# KiCad board Boom-1.kicad_pcb (continued)
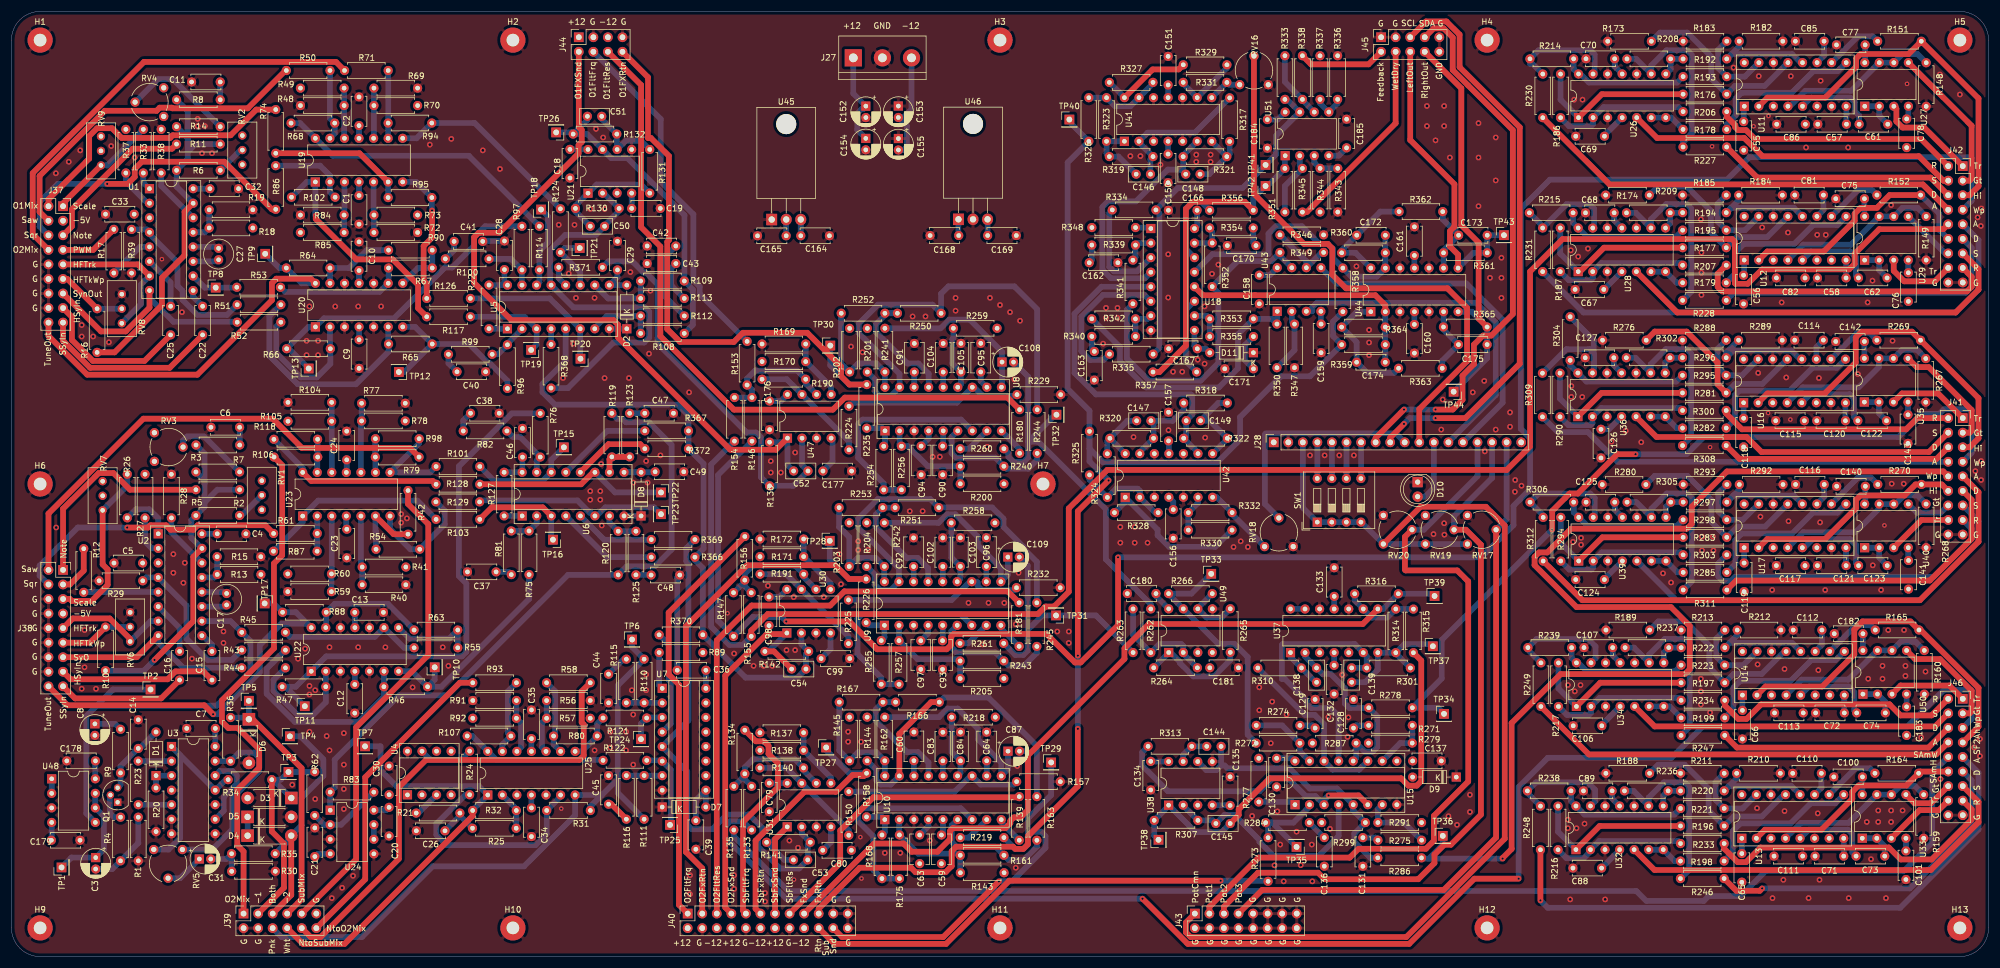
[diagram p0: board, top side]
## Routing (per net, layer and track width the routed paths; a pad name or vN(x,y) marks a point on that pad's centre or on a via; arc(x,y) is an arc through that point) (continued)
Net-(R64-Pad2): length 14.2
  Bottom w1: R90.2 62,123.33 58.88,120.22 R64.2 U20.13
Net-(R65-Pad1): length 31.3
  Bottom w1: TP12.1 68.53,102.05 R65.1 ; R65.1 79.86,106.94 83.21,103.6 83.47,103.6 86.55,100.51 R96.2 ; R65.1 70.44,109.93 U20.7
Net-(R66-Pad1): length 56
  Bottom w1: R97.2 82.66,127.5 80.74,125.57 80.74,124.13 76.91,120.31 75.65,120.31 66.77,111.43 54.54,111.43 U20.1 51.83,109.93 R66.1 48.42,106.12 TP13.1
Net-(R67-Pad1): length 9.4
  Bottom w1: R90.1 R67.1 70.95,120.22 U20.8
Net-(R69-Pad2): length 8.9
  Bottom w1: R69.2 R70.2 63.25,142.88 63.19,142.82 U19.10
Net-(R71-Pad2): length 11.8
  Bottom w1: U19.9 R94.1 65.74,145.53 R71.2
Net-(R72-Pad2): length 8.9
  Bottom w1: R72.2 R73.2 63.19,129.52 U19.5
Net-(R74-Pad2): length 24.4
  Top w1: R74.2 60.71,140.25 U19.6
  Bottom w1: U19.6 R95.1
Net-(R75-Pad1): length 6.3
  Bottom w1: R81.1 R75.1 91.65,75.64 U6.2
Net-(R76-Pad1): length 10.6
  Bottom w1: R82.1 87.51,90.7 88.77,90.7 R76.1 91.65,86.59 U6.15
Net-(R77-Pad2): length 12.1
  Bottom w1: U23.10 60.98,93.39 R78.2 R77.2
Net-(R79-Pad2): length 5.9
  Bottom w1: U23.9 63.52,87.19 R79.2 63.5,90.39 R98.1
Net-(R84-Pad2): length 9
  Bottom w1: U19.3 58.11,129.52 ; 58.11,129.52 R84.2 R85.2 ; 58.11,129.52 57.98,129.39
Net-(R89-Pad1): length 6.5
  Bottom w1: R89.1 113.02,47.35 U7.1
Net-(R91-Pad2): length 9.5
  Bottom w1: U25.12 88.92,36.54 88.92,40.8 R92.2 R91.2
Net-(R96-Pad1): length 7.2
  Bottom w1: U5.2 89.09,109.55 86.55,107.01 R96.1 84.88,105.14 R99.1
Net-(R100-Pad1): length 9.2
  Bottom w1: R100.1 87.15,121.81 R97.1 89.08,117.23 U5.15
Net-(R101-Pad1): length 19.4
  Bottom w1: TP15.1 94.19,86.7 U6.14 92.69,83.05 84.23,83.05 R101.1
Net-(R101-Pad2): length 16.5
  Bottom w1: R101.2 73.07,84.53 U23.8 71.14,89.61 R98.2
Net-(R102-Pad1): length 14.3
  Bottom w1: R86.2 53.87,138.07 55.57,136.37 U19.2 55.57,133.48 R102.1
Net-(R102-Pad2): length 40.6
  Top w1: v1(53.1,129.35) 53.1,128.78 60.17,121.72 66.52,121.72 70.96,117.27 70.96,113.2 R117.2
  Bottom w1: v1(53.1,129.35) 53.03,129.42 U19.1 51.53,135.24 R102.2
Net-(R103-Pad1): length 18.2
  Top w1: U6.3 92.69,78.43 83.82,78.43 R103.1
  Bottom w1: U6.3 94.19,73.08 TP16.1
Net-(R103-Pad2): length 34
  Bottom w1: R103.2 70.82,79.61 53.52,79.61 U23.1 50.82,75.86 R87.2
Net-(R104-Pad2): length 12.3
  Bottom w1: 55.92,84.55 U23.12 55.9,93.43 R105.2 R104.2
Net-(R106-Pad2): length 5.8
  Bottom w1: U23.13 53.36,87.12 R106.2 53.42,87.22 R118.1
Net-(R107-Pad1): length 13.4
  Bottom w1: R93.2 86.62,46.3 86.62,39.03 R107.1 85.66,37.01 U25.13
Net-(R107-Pad2): length 25.5
  Bottom w1: R122.2 103.16,34.32 84.62,34.32 U25.14 80.44,38.5 R107.2
Net-(R108-Pad1): length 12.1
  Bottom w1: U5.7 101.79,109.74 103.89,111.84 R112.1 R108.1
Net-(R109-Pad1): length 12
  Bottom w1: U5.10 104.12,114.89 R113.1 R109.1
Net-(R110-Pad1): length 6.3
  Bottom w1: R115.1 R110.1 110.42,44.28 U7.2
Net-(R111-Pad1): length 6.3
  Bottom w1: U7.7 110.42,31.58 R111.1 R116.1
Net-(R114-Pad1): length 14.5
  Bottom w1: TP18.1 93.62,129.21 93.62,124.68 92.12,123.18 R114.1 92.12,117.72 U5.14
Net-(R114-Pad2): length 50.8
  Bottom w1: R114.2 79.82,139.8 56.08,139.8 U19.14 50.37,145.51 R68.2
Net-(R117-Pad1): length 16.5
  Bottom w1: TP19.1 91.63,106.85 U5.3 89.53,111.7 R117.1
Net-(R118-Pad2): length 32
  Top w1: U23.14 52.32,83.02 73.53,83.02 R128.1
  Bottom w1: R118.2 50.82,85.28 U23.14
Net-(R119-Pad1): length 6
  Top w1: U6.10 104.35,86.81 R119.1 R123.1
Net-(R119-Pad2): length 114.2
  Bottom w1: U24.1 55.61,25.56 R83.1 56.41,29.51 56.41,34.37 67.64,45.6 76.08,45.6 97.11,66.63 R120.2 107.37,68.14 112.27,68.14 115.2,71.06 115.2,89.33 111.25,93.28 107.22,93.28 106.62,93.88 105.67,93.88 104.77,94.78 R119.2
Net-(R120-Pad1): length 6.4
  Bottom w1: R125.1 R120.1 104.35,75.77 U6.7
Net-(R121-Pad1): length 6.9
  Bottom w1: U7.3 110.94,41.74 R121.1 109.85,40.65 TP24.1
Net-(R121-Pad2): length 8.5
  Bottom w1: R121.2 102.22,40.64 R80.2 99.54,35.82 U25.8
Net-(R122-Pad1): length 14.6
  Bottom w1: TP25.1 115.06,23.12 115.06,32.62 U7.6 113.42,34.25 R122.1
Net-(R124-Pad1): length 34.8
  Bottom w1: R124.1 95.79,130.55 80.82,145.52 R94.2 70.68,142.86 U19.8
Net-(R124-Pad2): length 10.8
  Bottom w1: TP21.1 96.56,123.7 R124.2 99.25,119.47 U5.11
Net-(R126-Pad1): length 24.9
  Top w1: v1(73.4,130.25) 73.4,125.52 71.92,124.05 71.92,118.01 72.46,117.47 R126.1
  Bottom w1: v1(73.4,130.25) 73.35,130.3 R95.2 70.62,135.24 U19.7 68.27,135.04
Net-(R126-Pad2): length 26.6
  Bottom w1: TP20.1 99.25,104.42 U5.6 93.95,114.9 R126.2
Net-(R127-Pad1): length 3.1
  Bottom w1: R127.1 U6.1
Net-(R128-Pad2): length 34
  Top w1: U6.11 101.49,84.55 99.4,82.45 R128.2
  Bottom w1: U6.11 105.33,81.03 TP22.1
Net-(R129-Pad1): length 19.6
  Bottom w1: U23.7 66.06,74.66 69.61,71.11 R54.2 75.6,75.47 75.6,77.85 R129.1
Net-(R129-Pad2): length 34
  Bottom w1: R129.2 81.94,79.63 98.77,79.63 100.92,77.48 101.12,77.48 101.67,76.93 U6.6 102.13,76.93 103.63,78.43 112.15,78.43 TP23.1
Net-(R133-Pad2): length 21.8
  Bottom w1: R134.1 127.98,33.04 129.37,34.43 136.72,34.43 R140.2 138.22,32.49 U31.6 ; R134.1 127.98,30.9 R133.2 ; R134.1 127.98,31.64 R135.2
Net-(R137-Pad1): length 10.8
  Bottom w1: R137.1 138.23,36.01 R138.1 142.99,31.24 U31.5
Net-(R139-Pad1): length 4.9
  Bottom w1: U10.9 172.72,23.44 R139.1
Net-(R140-Pad1): length 20.9
  Bottom w1: R150.2 146.12,22.05 U31.7 135.24,32.93 R140.1
Net-(R143-Pad1): length 17.8
  Bottom w1: R143.1 165.57,14.65 R161.2 165.57,17.68 165.28,17.98 158.2,17.98 R175.2 154.94,21.24 U10.2
Net-(R144-Pad2): length 55.3
  Top w1: U10.17 154.94,38.88 160.48,44.41 R166.1
  Bottom w1: R166.1 162.7,45.21 170.49,45.21 178.94,36.76 R163.2 ; R144.2 150.9,32.59 150.9,30.81 151.68,30.03 153.44,30.03 U10.17
Net-(R145-Pad1): length 21
  Bottom w1: R167.1 144.45,35.97 R145.1 147.75,35.67 150.9,35.67 R162.1 152.4,31.53 U10.18
Net-(R146-Pad2): length 21.6
  Bottom w1: R154.2 R146.2 129.22,98.93 R153.1 128.37,100.91 129.75,102.29 137.1,102.29 R190.2 138.6,100.02 U47.6
Net-(R147-Pad2): length 21.8
  Bottom w1: R156.1 127.97,64.64 R155.2 ; R156.1 127.97,65.49 R147.2 ; R156.1 127.97,66.85 129.38,68.25 136.75,68.25 R191.2 138.25,66.24 U30.6
Net-(R148-Pad1): length 28.5
  Bottom w1: R148.1 332.6,157.57 329.98,157.57 U27.6 U27.7 321.02,151.15 313.02,151.15 310.32,148.45 U11.4
Net-(R149-Pad1): length 28.5
  Bottom w1: R149.1 332.63,130.71 329.96,130.71 U29.6 U29.7 321.01,124.3 312.68,124.3 U12.4
Net-(R150-Pad1): length 31.3
  Bottom w1: R157.1 174.9,30.03 169.14,30.03 U10.12 167.32,31.53 164.58,28.79 R150.1
Net-(R151-Pad1): length 10.3
  Bottom w1: U11.10 322.22,160.67 324.78,160.67 R151.1
Net-(R152-Pad1): length 10.2
  Bottom w1: U12.10 322.19,133.81 324.67,133.81 R152.1
Net-(R158-Pad1): length 6.3
  Bottom w1: R158.1 151.92,24.38 U10.1 152.4,21.72 R168.2
Net-(R159-Pad1): length 28.5
  Bottom w1: R159.1 332.17,29.77 329.55,29.77 U33.6 U33.7 320.58,23.34 312.27,23.34 U13.4
Net-(R160-Pad1): length 28.6
  Bottom w1: U14.4 312.37,48.34 320.52,48.34 U50.7 U50.6 329.66,54.94 332.29,54.94 R160.1
Net-(R161-Pad1): length 22.6
  Bottom w1: R163.1 178.94,19.17 176.64,16.88 173.99,16.88 R161.1 171.69,19.18 164.93,19.18 164.07,20.04 164.07,22.88 U10.6
Net-(R164-Pad1): length 10.3
  Bottom w1: R164.1 324.32,32.86 321.79,32.86 U13.10
Net-(R165-Pad1): length 10.2
  Bottom w1: U14.10 321.89,57.86 324.39,57.86 R165.1
Net-(R166-Pad2): length 20.6
  Bottom w1: U10.15 160.02,33.87 158.2,35.69 156.28,35.69 150.82,41.15 150.82,43.16 R167.2 R166.2
Net-(R168-Pad1): length 37.3
  Bottom w1: U10.7 165.66,25.88 148.5,25.88 147.72,25.1 147.72,23.66 150.4,20.98 150.4,15.11 R168.1 R175.1
Net-(R169-Pad1): length 10.8
  Bottom w1: U47.5 143.03,99.44 R170.1 138.6,107.02 R169.1
Net-(R171-Pad1): length 10.7
  Bottom w1: U30.5 142.93,65.13 R171.1 R172.1
Net-(R173-Pad1): length 33.5
  Bottom w1: R173.1 287.68,161.31 292.43,161.31 296.62,157.12 296.62,153.26 R176.1 300.76,152 305.93,152 U11.13
Net-(R174-Pad1): length 33.7
  Bottom w1: U12.13 306.38,125.62 301.1,125.62 R177.1 296.54,126.46 296.54,130.23 292.33,134.44 287.31,134.44 R174.1
Net-(R176-Pad2): length 28.9
  Top w1: U26.1 277.54,150.56 R176.2
  Bottom w1: R186.1 270.32,149.6 U26.1
Net-(R177-Pad2): length 28.9
  Top w1: R177.2 277.89,123.76 273.71,119.58 U28.1
  Bottom w1: U28.1 270.27,122.7 R187.1
Net-(R178-Pad1): length 27.9
  Bottom w1: R178.1 299.31,145.28 300.88,146.85 300.88,149.81 301.87,150.8 310.65,150.8 314.42,154.57 318.66,154.57 U11.9
Net-(R178-Pad2): length 6.4
  Bottom w1: R178.2 289.63,146.47 U26.7 U26.6
Net-(R179-Pad1): length 27.9
  Bottom w1: U12.9 318.64,127.72 314.4,127.72 311.1,124.42 302.32,124.42 300.75,122.84 300.75,119.15 R179.1
Net-(R179-Pad2): length 6.3
  Bottom w1: R179.2 290.57,117.64 U28.7 U28.6
Net-(R180-Pad1): length 4.5
  Bottom w1: 175.92,88.61 U8.9
Net-(R181-Pad1): length 5
  Bottom w1: R181.1 172.65,57.34 U9.9
Net-(R182-Pad1): length 18.2
  Bottom w1: R182.1 301.49,158.89 R192.1 300.17,157.57 310.72,157.57 312.22,156.07 U11.12
Net-(R183-Pad1): length 14
  Bottom w1: R183.1 297.82,158.3 297.82,155.13 R193.1 302.48,153.63 U11.15
Net-(R184-Pad1): length 18.2
  Bottom w1: U12.12 311.02,130.72 300.08,130.72 R194.1 301.41,132.05 R184.1
Net-(R185-Pad1): length 14
  Bottom w1: U12.15 302.5,126.82 R195.1 297.74,128.32 297.74,131.45 R185.1
Net-(R186-Pad2): length 24.4
  Bottom w1: R186.2 271.81,144.97 275.62,144.97 275.99,145.33 U26.2 277.83,148.31 290.9,148.31 R206.2
Net-(R187-Pad2): length 24
  Bottom w1: R187.2 271.77,118.08 275.57,118.08 275.93,118.44 U28.2 277.43,121.08 291.24,121.08 R207.2
Net-(R188-Pad1): length 33.3
  Bottom w1: U13.13 309.25,28.26 305.44,24.45 300.53,24.45 R196.1 296.17,25.49 296.17,29.29 291.97,33.49 287.35,33.49 R188.1
Net-(R189-Pad1): length 33.4
  Bottom w1: R189.1 287.36,58.5 292.08,58.5 296.28,54.3 296.28,50.49 R197.1 300.51,49.34 305.43,49.34 309.35,53.26 U14.13
Net-(R190-Pad1): length 21.1
  Bottom w1: R224.2 146.15,89.93 U47.7 135.29,100.79 R190.1
Net-(R191-Pad1): length 21.2
  Bottom w1: R191.1 135.2,66.75 U30.7 146.06,55.89 R225.2
Net-(R192-Pad2): length 5.1
  Bottom w1: U26.8 289.53,154.93 R208.1 R192.2
Net-(R193-Pad2): length 22.3
  Bottom w1: R214.1 272.6,154.94 U26.14 273.77,154.09 275.27,152.59 290.66,152.59 R193.2
Net-(R194-Pad2): length 5.2
  Bottom w1: U28.8 289.45,128.01 R209.1 291.59,129.85 R194.2
Net-(R195-Pad2): length 22.3
  Bottom w1: R195.2 290.5,125.7 274.89,125.7 U28.14 272.5,128.09 R215.1
Net-(R196-Pad2): length 28.9
  Top w1: R196.2 277.13,22.79 U32.1
  Bottom w1: U32.1 269.88,21.78 R216.1
Net-(R197-Pad2): length 28.9
  Top w1: U34.1 277.23,47.8 R197.2
  Bottom w1: R217.1 269.95,46.8 U34.1
Net-(R198-Pad1): length 27.9
  Bottom w1: U13.9 318.23,26.76 313.99,26.76 310.48,23.25 301.7,23.25 300.37,21.92 300.37,18.18 R198.1
Net-(R198-Pad2): length 6.4
  Bottom w1: U32.6 U32.7 290.23,16.67 R198.2
Net-(R199-Pad1): length 27.9
  Bottom w1: R199.1 300.47,43.17 300.47,46.92 301.69,48.14 310.47,48.14 314.09,51.76 318.33,51.76 U14.9
Net-(R199-Pad2): length 6.4
  Bottom w1: R199.2 289.36,43.67 U34.7 U34.6
Net-(R200-Pad1): length 17.6
  Bottom w1: U8.2 154.97,89.43 R256.2 156.43,89.1 159.92,85.61 165.55,85.61 R240.2 165.56,82.54 R200.1
Net-(R201-Pad2): length 79.5
  Bottom w1: R201.2 150.75,100.65 150.75,98.6 151.45,97.9 153.47,97.9 U8.17 154.97,101.73 147.85,108.85 147.85,110.47 151.19,113.81 160.72,113.81 R250.1 162.22,115.72 163.5,117 175,117 178.99,113.01 R244.2
Net-(R202-Pad1): length 21
  Bottom w1: R252.1 144.76,112.27 144.76,103.55 R202.1 147.76,103.55 150.93,103.55 R241.1 152.42,99.41 U8.18
Net-(R203-Pad1): length 21
  Bottom w1: R253.1 144.42,75 146.19,73.23 R203.1 147.69,69.6 150.82,69.6 R242.1 152.32,65.46 U9.18
Net-(R204-Pad2): length 68.3
  Bottom w1: R204.2 150.64,66.71 150.64,64.92 151.61,63.94 153.37,63.94 U9.17 154.87,67.77 147.75,74.89 147.75,76.44 151.18,79.87 160.32,79.87 R251.1 161.86,78.41 171.13,78.41 173.11,76.43 173.11,75.01 176.59,71.53 176.59,71.24 178.93,68.9 R245.2
Net-(R205-Pad1): length 17.9
  Bottom w1: R205.1 165.54,48.54 R243.2 165.24,51.91 158.12,51.91 R257.2 154.87,55.16 U9.2
Net-(R208-Pad2): length 32
  Bottom w1: R227.2 291.69,142.19 293.2,143.7 293.2,157.44 292.42,158.22 288.81,158.22 286.15,155.56 U26.9 283.52,156.72 R208.2 ; 281.58,156.74 281.59,156.73
Net-(R209-Pad2): length 32
  Bottom w1: R228.2 293.12,116.07 293.12,130.6 292.34,131.38 288.76,131.38 286.09,128.71 U28.9 283.44,129.85 R209.2
Net-(R210-Pad1): length 18.2
  Bottom w1: R210.1 301.05,31.1 R220.1 299.71,29.76 310.61,29.76 U13.12
Net-(R211-Pad1): length 14
  Bottom w1: U13.15 302.08,25.85 R221.1 297.37,27.35 297.37,30.49 R211.1
Net-(R212-Pad1): length 18.2
  Bottom w1: U14.12 310.71,54.76 299.81,54.76 R222.1 301.14,56.09 R212.1
Net-(R213-Pad1): length 14
  Bottom w1: U14.15 302.2,50.87 R223.1 297.48,52.36 297.48,55.5 R213.1
Net-(R214-Pad2): length 19.3
  Bottom w1: 264.98,156.23 264.98,155.82 ; 264.98,156.32 R230.2 ; R214.2 266.49,158.24 275.48,158.24 276.26,157.46 276.26,154.36 U26.13
Net-(R215-Pad2): length 18.1
  Bottom w1: R215.2 267.2,127.53 R231.2 271.35,131.35 275.39,131.35 276.17,130.57 276.17,127.43 U28.13
Net-(R216-Pad2): length 23.6
  Bottom w1: R216.2 271.36,17.16 274.36,17.16 275.54,18.34 U32.2 277.04,20.16 290.82,20.16 R233.2
Net-(R217-Pad2): length 24.1
  Bottom w1: R217.2 271.44,42.17 275.26,42.17 275.63,42.53 U34.2 277.13,45.17 290.92,45.17 R234.2
Net-(R219-Pad2): length 5.9
  Bottom w1: R219.2 167.03,20.76 U10.8
Net-(R220-Pad2): length 5.2
  Bottom w1: U32.8 288.24,28.07 R236.1 R220.2
Net-(R221-Pad2): length 22.3
  Bottom w1: R221.2 290.18,24.78 274.5,24.78 U32.14 272.15,27.13 R238.1
Net-(R222-Pad2): length 5.2
  Bottom w1: R222.2 R237.1 288.33,53.06 U34.8
Net-(R223-Pad2): length 22.3
  Bottom w1: R223.2 290.26,49.79 274.91,49.79 273.41,51.29 U34.14 272.24,52.13 R239.1
Net-(R224-Pad1): length 31.4
  Bottom w1: R224.1 146.76,96.7 164.97,96.7 U8.12 167.99,99.4 169.49,97.9 175.26,97.9 R229.1
Net-(R225-Pad1): length 31.8
  Bottom w1: R232.1 174.93,63.94 169.39,63.94 168.61,64.72 168.61,65.27 168.44,65.44 U9.12 167.25,65.44 164.06,62.25 R225.1
Net-(R226-Pad1): length 6.3
  Bottom w1: R226.1 149.61,57.82 U9.1 152.33,55.72 R255.2
Net-(R235-Pad1): length 6.2
  Bottom w1: R235.1 151.97,92.24 U8.1 152.43,89.31 R254.2
Net-(R236-Pad2): length 31.9
  Bottom w1: R236.2 283.06,28.92 U32.9 285.7,27.75 288.37,30.42 291.97,30.42 292.75,29.64 292.75,15.12 R246.2
Net-(R237-Pad2): length 32
  Bottom w1: R247.2 292.86,40.12 292.86,54.65 292.06,55.45 288.5,55.45 285.79,52.74 U34.9 283.14,53.93 R237.2
Net-(R238-Pad2): length 19.4
  Bottom w1: 264.53,28.54 R248.2 ; U32.13 276.34,27.08 276.34,29.11 275.03,30.42 266.03,30.42 R238.2
Net-(R239-Pad2): length 19.4
  Bottom w1: R239.2 266.12,55.43 275.13,55.43 276.43,54.14 276.43,52.09 U34.13 ; 264.62,53.54 R249.2
Net-(R240-Pad1): length 22.2
  Bottom w1: R244.1 178.99,86.72 177.43,85.16 173.62,85.16 R240.1 171.68,87.1 164.84,87.1 164.06,87.88 164.06,90.71 U8.6
Net-(R243-Pad1): length 22.5
  Bottom w1: R245.1 178.93,53.01 176.73,50.81 173.96,50.81 R243.1 171.66,53.11 164.87,53.11 164.02,53.96 164.02,56.81 U9.6
Net-(R250-Pad2): length 22.7
  Bottom w1: U8.15 160.05,101.76 158.27,103.54 156.34,103.54 150.85,109.03 150.85,110.39 152.77,112.31 R250.2 R252.2
Net-(R251-Pad2): length 20.5
  Bottom w1: U9.15 159.95,67.78 158.14,69.59 156.23,69.59 150.82,75 150.82,77.15 R253.2 R251.2
Net-(R254-Pad1): length 37.5
  Bottom w1: U8.7 165.71,93.74 148.53,93.74 147.75,92.96 147.75,87.06 152.21,82.6 R254.1 155.29,81.47 R256.1
Net-(R255-Pad1): length 37.4
  Bottom w1: U9.7 165.6,59.79 148.42,59.79 147.64,59.01 147.64,52.82 151.78,48.68 R255.1 154.87,47.54 R257.1
Net-(R260-Pad2): length 5.9
  Bottom w1: U8.8 167.09,88.66 R260.2
Net-(R261-Pad2): length 5.9
  Bottom w1: R261.2 166.97,54.68 U9.8
Net-(R262-Pad1): length 20.2
  Bottom w1: R264.2 204.48,52.87 U49.2 204.48,54.21 204.11,54.58 200.33,54.58 R262.1 195.72,56.15 R263.2
Net-(R264-Pad1): length 18.9
  Bottom w1: R265.2 212.68,51.76 209.83,48.91 206.22,48.91 203.92,51.21 203.92,51.42 202.26,53.08 U49.1 201.94,53.03 R264.1
Net-(R265-Pad1): length 10.6
  Bottom w1: R265.1 211.16,59.2 208.52,59.2 U49.6 207.02,60.84 R266.2
Net-(R266-Pad1): length 43
  Bottom w1: R272.1 215.72,38.74 215.72,52.28 213.4,54.6 210.58,54.6 U49.7 201.92,63.26 R266.1 205.9,63.36 TP33.1
Net-(R267-Pad1): length 29.5
  Bottom w1: R267.1 332.52,105.93 329.91,105.93 U35.6 U35.7 325.87,102.92 322.33,99.38 312.58,99.38 U16.4
Net-(R268-Pad1): length 29
  Bottom w1: U17.4 312.67,74.08 321.79,74.08 325.92,78.21 U40.7 U40.6 328.78,79 330.28,80.5 332.61,80.5 R268.1
Net-(R269-Pad1): length 10.4
  Bottom w1: U16.10 322.08,108.88 324.24,108.88 R269.1
Net-(R270-Pad1): length 10.5
  Bottom w1: U17.10 322.19,83.6 324.5,83.6 R270.1
Net-(R271-Pad1): length 9.6
  Bottom w1: R271.1 244.45,37.29 R279.2 242.35,37.27 U15.10
Net-(R272-Pad2): length 12.7
  Bottom w1: U15.15 224.83,35.81 R272.2 221.73,40.35 R274.1
Net-(R273-Pad1): length 19.1
  Bottom w1: U15.2 226.51,26.19 223.7,23.38 R284.1 ; R284.1 219.28,22.96 R273.1 ; R284.1 220.01,23.38 TP35.1
Net-(R275-Pad1): length 12.3
  Bottom w1: R275.1 242.99,23.39 R291.2 238.44,25.74 U15.7
Net-(R276-Pad1): length 34.3
  Top w1: R276.1 286.77,109.11 292.32,109.11 297.72,103.71 297.72,99.91 R281.1
  Bottom w1: U16.13 305.55,99.97 300.78,99.97 R281.1
Net-(R277-Pad1): length 6.5
  Bottom w1: R277.1 223.49,26.99 U15.1
Net-(R280-Pad1): length 34.5
  Bottom w1: R280.1 286.73,83.91 292.45,83.91 296.64,79.72 296.64,75.88 R283.1 301.2,75.06 306.03,75.06 U17.13
Net-(R281-Pad2): length 28.9
  Top w1: R281.2 277.49,98.41 U36.1
  Bottom w1: R290.1 270.22,97.39 U36.1
Net-(R282-Pad1): length 28.3
  Bottom w1: R282.1 300.76,93.8 300.76,98.04 301.49,98.77 310.27,98.77 314.3,102.8 318.54,102.8 U16.9
Net-(R282-Pad2): length 6.4
  Bottom w1: U36.6 U36.7 290.58,92.27 R282.2
Net-(R283-Pad2): length 28.8
  Top w1: U39.1 277.61,73.19 R283.2
  Bottom w1: R294.1 270.36,72.19 U39.1
Net-(R285-Pad1): length 28.2
  Bottom w1: R285.1 300.83,68.56 300.83,72.72 301.97,73.86 310.75,73.86 314.39,77.5 318.63,77.5 U17.9
Net-(R285-Pad2): length 6.4
  Bottom w1: R285.2 290.71,67.07 U39.7 U39.6
Net-(R288-Pad1): length 14.1
  Bottom w1: U16.15 301.97,101.47 R295.1 297.72,102.97 297.72,106.11 R288.1
Net-(R289-Pad1): length 18.3
  Bottom w1: U16.12 312.1,104.3 310.6,105.8 300.47,105.8 R296.1 299.22,105.45 R289.1
Net-(R290-Pad2): length 24.1
  Bottom w1: R300.2 291.18,95.76 277.38,95.76 U36.2 275.88,93.13 275.52,92.76 271.69,92.76 R290.2
Net-(R292-Pad1): length 18.2
  Bottom w1: U17.12 311.01,80.5 300.5,80.5 R297.1 301.52,81.52 R292.1
Net-(R293-Pad1): length 14.1
  Bottom w1: R293.1 297.84,80.9 297.84,77.75 R298.1 302.15,76.26 U17.15
Net-(R294-Pad2): length 24.1
  Bottom w1: R294.2 271.85,67.56 275.66,67.56 276.02,67.93 U39.2 277.52,70.56 291.28,70.56 R303.2
Net-(R295-Pad2): length 22.1
  Bottom w1: R304.1 271.99,103.24 U36.14 274.84,100.38 290.51,100.38 R295.2
Net-(R296-Pad2): length 5.2
  Bottom w1: R296.2 289.43,104.55 R302.1 288.58,103.71 U36.8
Net-(R297-Pad2): length 5.2
  Bottom w1: U39.8 288.72,78.51 R305.1 289.56,79.34 R297.2
Net-(R298-Pad2): length 22.3
  Bottom w1: R306.1 272.61,77.56 U39.14 274.98,75.18 290.63,75.18 R298.2
Net-(R302-Pad2): length 32
  Bottom w1: R302.2 283.39,104.54 U36.9 286.04,103.39 288.71,106.05 292.32,106.05 293.11,105.26 293.11,90.71 R308.2
Net-(R304-Pad2): length 25.2
  Bottom w1: 276.12,102.75 276.12,107.58 R304.2 ; 276.12,102.75 276.12,102.12 U36.13 ; 276.12,102.75 276.12,105.26 275.34,106.04 271.35,106.04 R309.2
Net-(R305-Pad2): length 32
  Bottom w1: R311.2 293.22,65.5 293.22,80.06 292.44,80.84 288.84,80.84 286.18,78.19 U39.9 283.53,79.33 R305.2
Net-(R306-Pad2): length 19.3
  Bottom w1: U39.13 276.28,76.93 276.28,80.05 275.5,80.83 266.49,80.83 R306.2 267.29,77.03 R312.2
Net-(R310-Pad2): length 30.9
  Bottom w1: R310.2 225.68,42.19 227.41,42.19 229.05,40.55 U15.14 230.55,32.63 235.17,32.63 U15.11
Net-(R313-Pad2): length 49.7
  Top w1: v1(229.84,28.13) 235.05,28.13 U15.6
  Bottom w1: R313.2 197.3,35.66 197.3,33.36 201.8,28.86 217.8,28.86 220.05,31.11 222.77,31.11 225.87,28.01 227.55,28.01 U15.3 229.05,27.34 v1(229.84,28.13)
Net-(R314-Pad2): length 13.3
  Bottom w1: R315.1 244.63,60.67 R314.2 240.08,59.18 237.39,59.18 U37.9 234.39,62.18 R316.2
Net-(R323-Pad1): length 13.7
  Bottom w1: R326.1 R323.1 192.58,148.45 195.25,148.45 U41.13 199.2,152.4 R327.2
Net-(R324-Pad1): length 17.1
  Bottom w1: R325.1 188.12,83.28 R324.1 192.75,81.68 196.52,81.68 196.89,81.31 U42.2 199.57,77.5 R328.2
Net-(R327-Pad1): length 16.4
  Top w1: R329.2 203.68,154.88 199.14,154.88 U41.14
  Bottom w1: U41.14 194.21,149.98 R327.1
Net-(R328-Pad1): length 27.5
  Bottom w1: R328.1 194.35,79.38 U42.1 200,74.53 200,73.54 202.01,71.53 210.06,71.53 R330.2
Net-(R329-Pad1): length 11.6
  Bottom w1: R329.1 212.1,155.14 U41.9 204.47,152.39 R331.2
Net-(R330-Pad1): length 6.4
  Bottom w1: U42.6 207.05,79.19 R332.2 205.36,77.5 R330.1
Net-(R331-Pad1): length 6.1
  Bottom w1: RV16.3 212.49,152.21 R331.1 209.45,149.97 U41.8
Net-(R332-Pad1): length 12.8
  Bottom w1: RV18.3 212.99,77.24 R332.1 210.32,80.18 U42.7
Net-(R333-Pad1): length 12
  Bottom w1: R333.1 222.22,152.71 R338.2 225.28,149.5 U51.6
Net-(R333-Pad2): length 63.7
  Bottom w1: R333.2 222.59,149.65 U51.7 220.65,143.29 220.65,140.02 TP41.1 214.82,134.18 203.54,134.18 R334.1 200.32,129.75 200.32,106.27 R335.2 199.22,105.44
Net-(R334-Pad2): length 18.7
  Bottom w1: R334.2 191.57,129.83 191.57,120.41 192.35,119.63 196.43,119.63 U18.3
Net-(R335-Pad1): length 26.2
  Bottom w1: R335.1 190.57,104.14 188.24,104.14 186.7,105.68 186.7,111.73 190.48,115.51 197.7,115.51 U18.6
Net-(R336-Pad2): length 5.7
  Bottom w1: R336.2 231.41,148.97 U51.5 228.34,148.98 R337.2
Net-(R339-Pad1): length 5.6
  Bottom w1: R341.1 196.14,122.03 R339.1 196.49,124.56 U18.2
Net-(R340-Pad1): length 6
  Bottom w1: R340.1 R342.1 198.29,111.33 U18.7
Net-(R341-Pad2): length 60.4
  Bottom w1: R341.2 194.64,112.91 194.64,104.39 198.48,100.55 207.53,100.55 210.6,103.62 210.6,115.89 R352.2 213.99,121.42 219.85,121.42 R349.2 221.35,122.33 U43.7
Net-(R342-Pad2): length 49.8
  Bottom w1: R342.2 193.44,106.41 193.44,103.9 197.98,99.35 210.69,99.35 214.02,102.68 214.02,108.63 R353.2 219.92,111.33 R350.2 220.88,110.47 U43.1
Net-(R343-Pad2): length 5.7
  Bottom w1: R343.2 R344.2 227.34,138.62 U51.3
Net-(R345-Pad2): length 11.3
  Bottom w1: U51.2 224.8,138.07 R345.2 222.21,134.54 R351.1
Net-(R346-Pad2): length 11.8
  Bottom w1: R349.1 228.62,122.92 U43.6 225.96,121.38 R346.2
Net-(R347-Pad2): length 11.3
  Bottom w1: R350.1 223.89,105.86 R347.2 223.42,110.89 U43.2
Net-(R348-Pad1): length 2.7
  Bottom w1: R348.1 198.64,127.27 U18.1 198.81,127.11
Net-(R351-Pad2): length 56.4
  Top w1: R356.1 215.2,131.78 206.17,131.78 204.94,130.55 204.94,106.66 200.33,102.05 R357.2
  Bottom w1: R356.1 216.7,132.39 TP42.1 219.14,134.53 R351.2 222.21,139.77 U51.1
Net-(R352-Pad1): length 5.9
  Bottom w1: U18.15 209.51,124.56 R352.1 209.53,126.42 209.08,126.87 R354.1
Net-(R353-Pad1): length 6
  Bottom w1: U18.10 208.57,111.86 R353.1 R355.1
Net-(R356-Pad2): length 14.4
  Bottom w1: U18.14 204.94,123.52 204.94,130.55 206.17,131.78 207.58,131.78 R356.2
Net-(R357-Pad1): length 13.7
  Bottom w1: R357.1 204.94,103.94 204.94,112.9 U18.11
Net-(R366-Pad1): length 17.9
  Bottom w1: U6.4 103.93,69.73 R366.1
Net-(R367-Pad2): length 16.8
  Bottom w1: R367.2 103.97,91.78 U6.13
Net-(R368-Pad1): length 2.7
  Bottom w1: U5.4 94.17,106.88 R368.1
Net-(R369-Pad2): length 14.2
  Bottom w1: R369.2 111.6,72.75 103.45,72.75 U6.5 99.25,76.93
Net-(R370-Pad1): length 18.4
  Bottom w1: R370.1 114.68,54.51 114.68,48.32 115.06,47.94 115.06,40.7 U7.4
Net-(R371-Pad2): length 3.6
  Bottom w1: R371.2 95.5,118.43 U5.12
Net-(R372-Pad2): length 14
  Top w1: U6.12 104.18,89.45 109.73,89.45 R372.2
  Bottom w1: R372.2 110.53,89
Net-(U3-Pad12): length 13.6
  Bottom w1: U3.12 36.35,32.39 38.52,32.39 39.31,31.6 39.31,30.14 37.05,27.88 37.05,25.47 U3.9
Net-(U24-Pad6): length 2.5
  Bottom w1: U24.7 U24.6
Net-(U37-Pad13): length 2.5
  Bottom w1: U37.13 U37.14
Net-(U48-Pad1): length 2.5
  Bottom w1: U48.2 U48.1

## Copper pours and planes (outline as drawn; the poured copper is in the pictures)
+12V on +12V.Cu: 345,0 0,0 0,165 345,165
-12V on -12V.Cu: 345,0 0,0 0,165 345,165
GND on Top: 345,0 0,0 0,165 345,165
GND on Bottom: 345,0 0,0 0,165 345,165

## Text on the board
F.SilkS: Tr | Scale | -5V | Note | PWM | HFTrk | HFTkWp | SynOut | SyO | NtoSubMix | NtoO2Mix | G | Gt | Hi | Wp | A | D | S | R | O2Mix | Sqr | +12 | -12 | GND | SAmW | Saw | O1Mix | SCL | SDA | HSyIn | SubMix | O2FltFrq | O2FxRtn | O2FltRes | O2FxSnd | SbFltFrq | SbFxRtn | SbFxSnd | SbFltRs | FxSnd | FxRtn | PotCmn | Pot1 | Pot2 | Pot3 | -1 | Both | -2 | O1FXSnd | O1FltFrq | O1FltRes | O1FXRtn | Sub | Feedback | SAmH | SF2Ah | TuneOut | SSyIn | Pnk | Wht | Rtn | Snd | WetDry | LeftOut | RightOut
